# KiCad board POWERCORE-V2.0_MOTHERBOARD.kicad_pcb
title: PC-02 EDM PULSE GENERATOR; company: DRAGONFLY POWER SYSTEMS
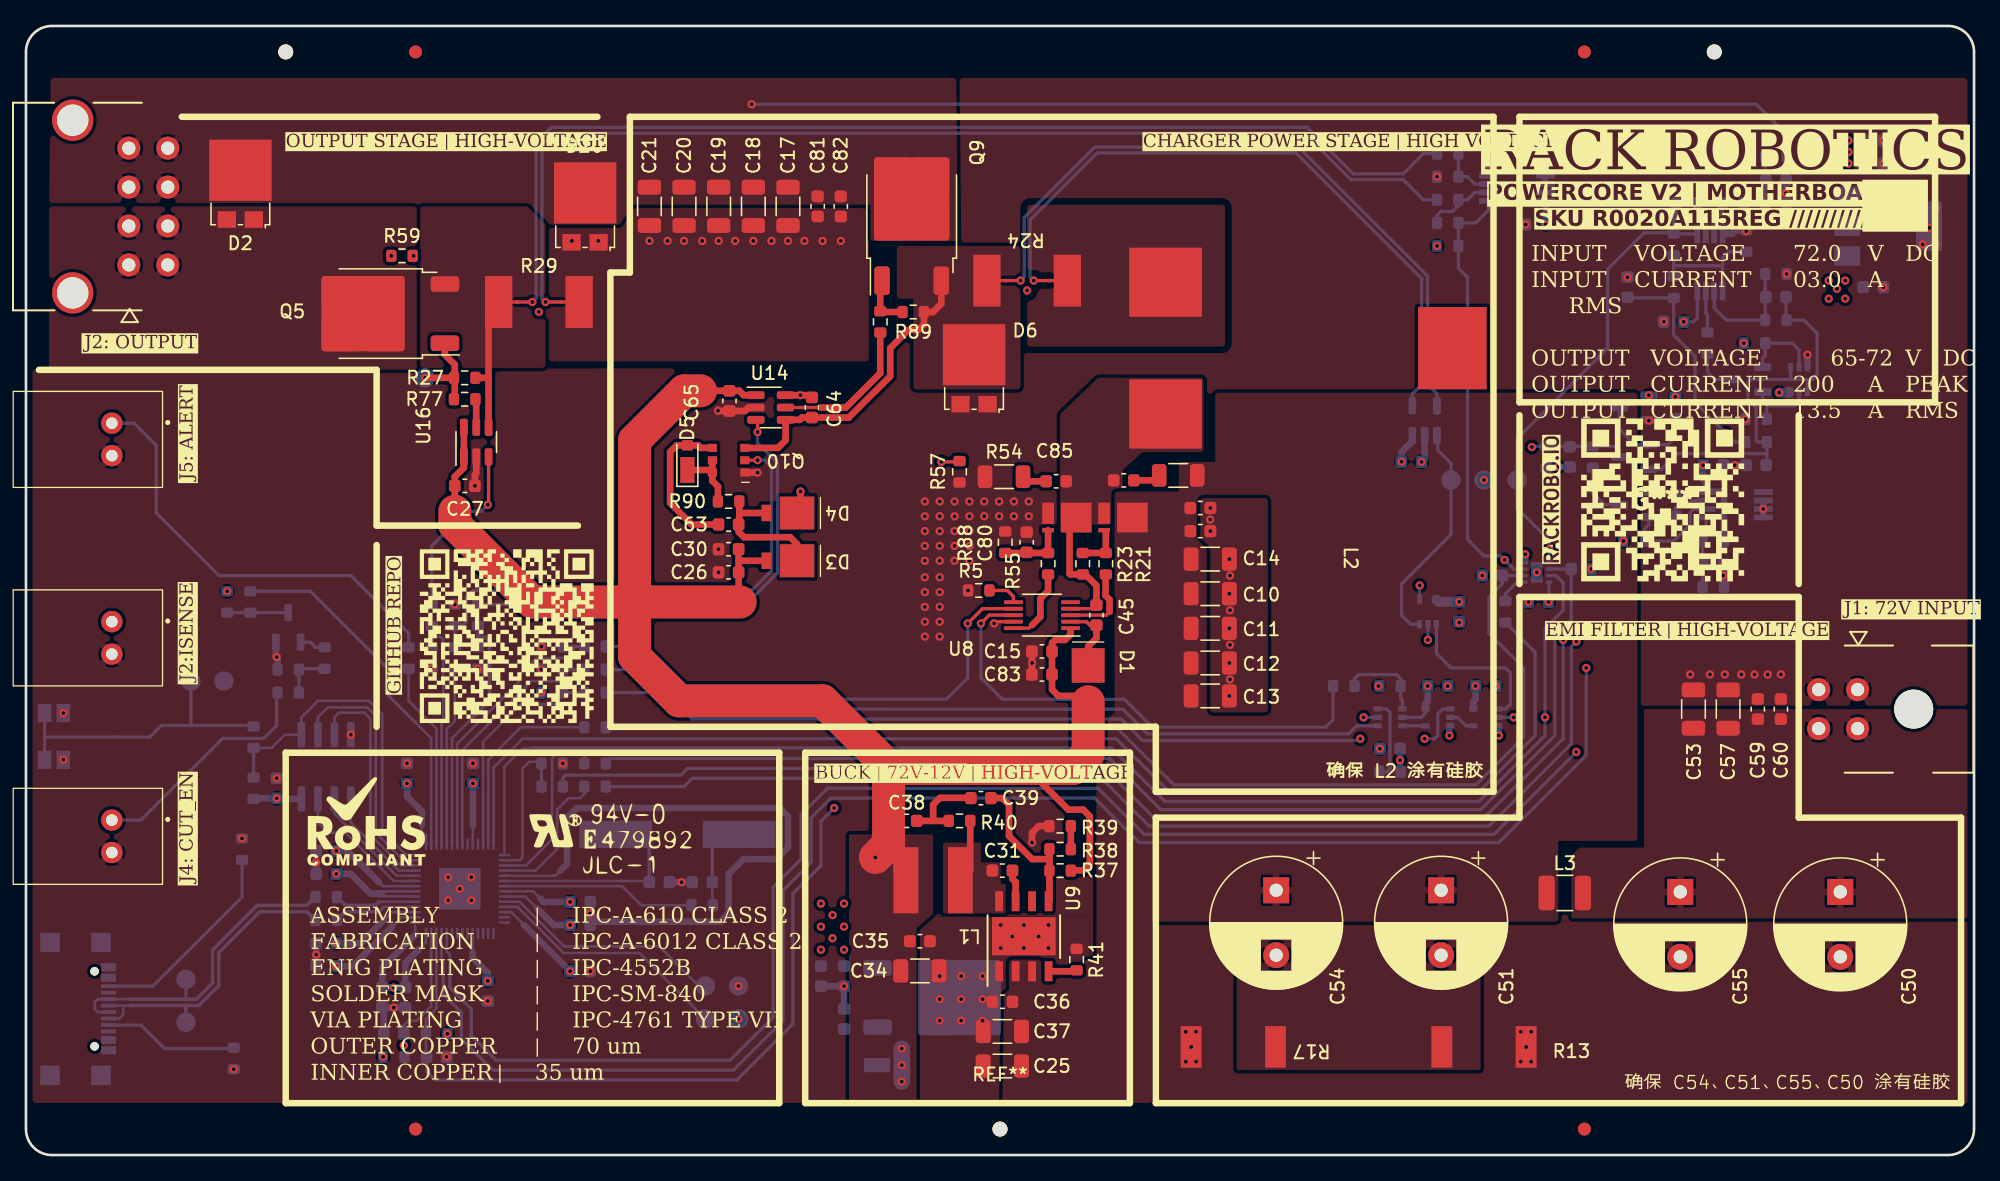
[diagram p0: board, top side]
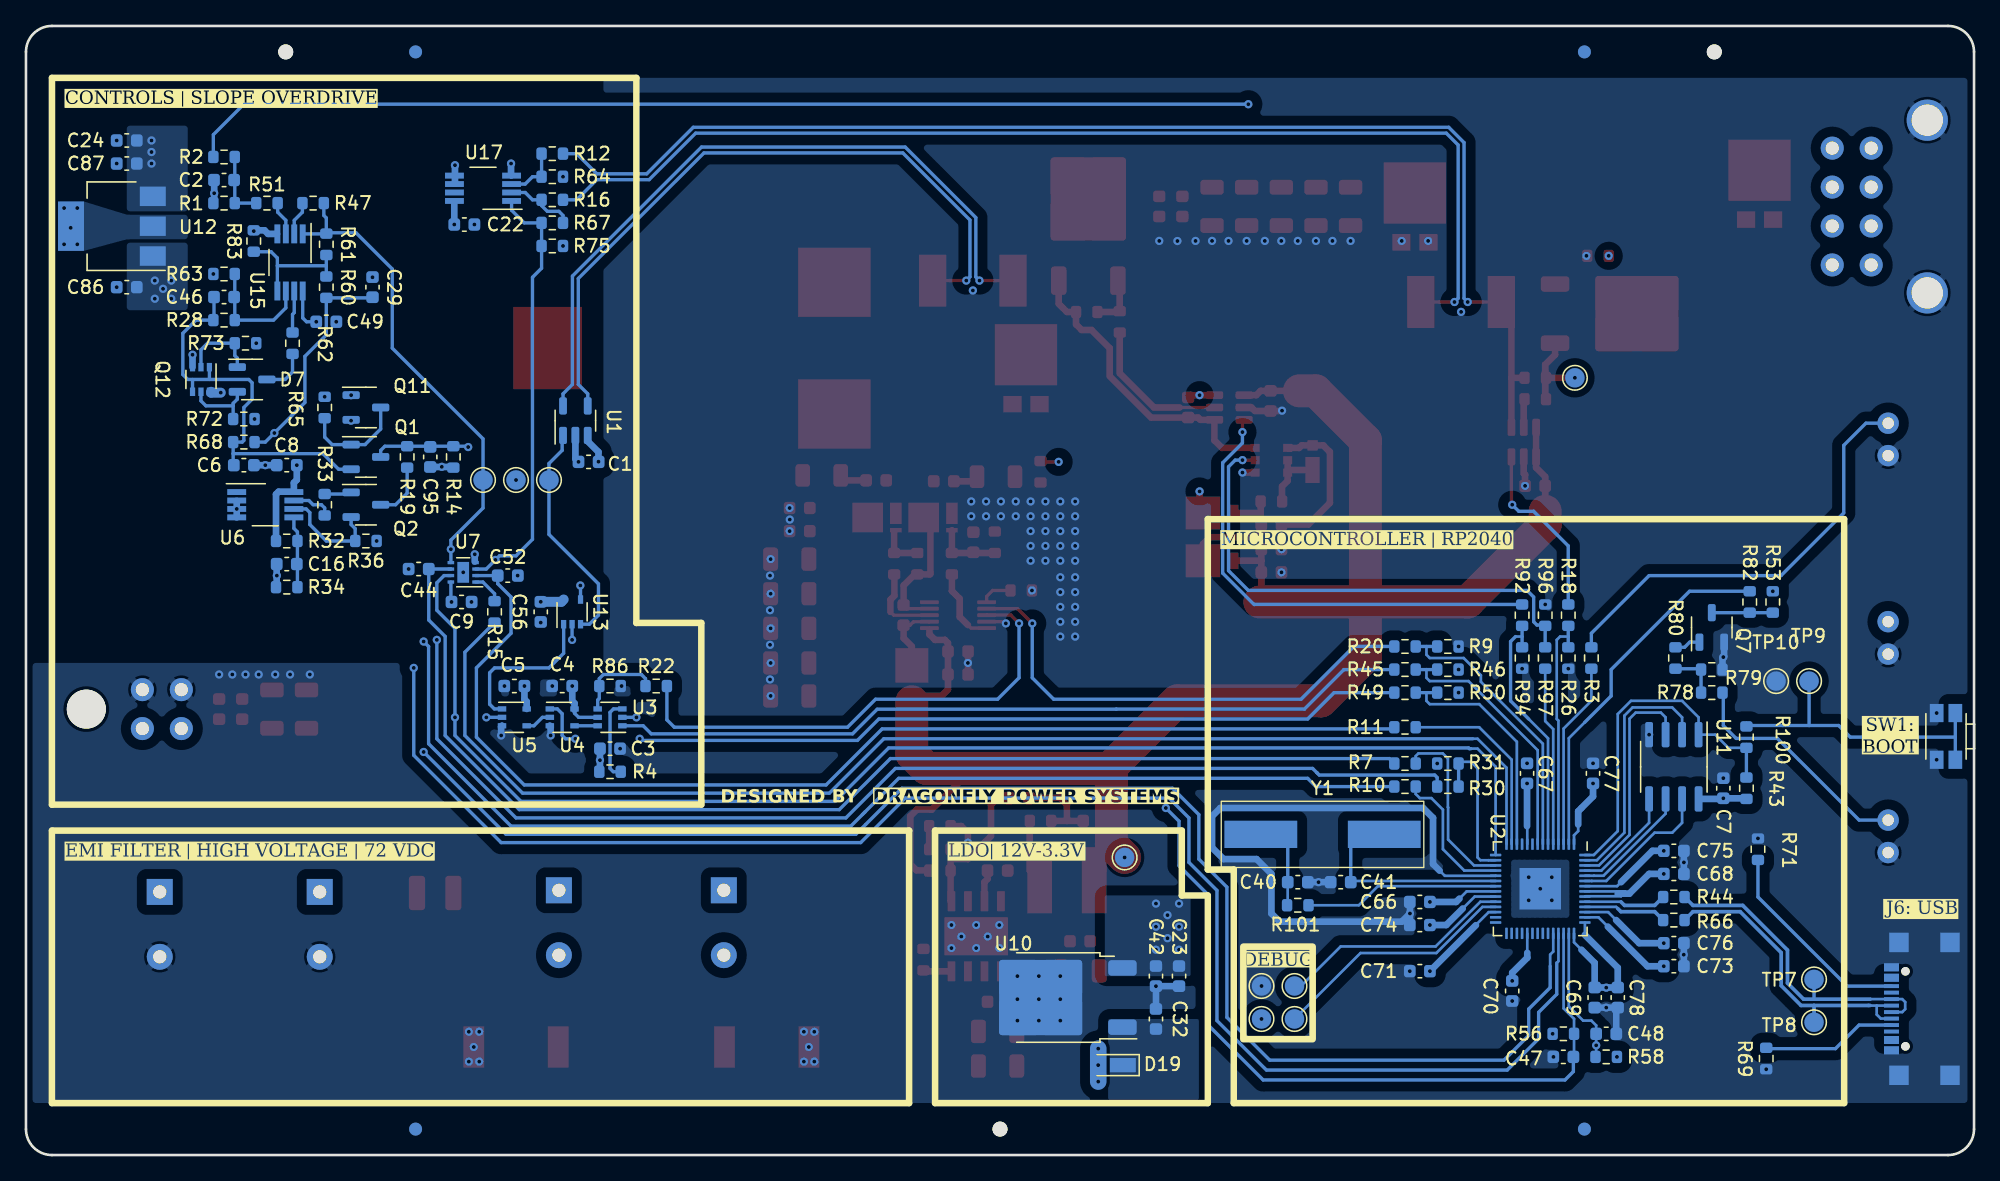
[diagram p1: board, bottom side, seen from below]

Outline 150 x 87 mm; copper layers: Top, In1.Cu (plane), In2.Cu, In3.Cu, In4.Cu (plane), Bottom. Coordinates in mm from the lower left corner of the outline.
Outline path: 0,85 0,2 arc(0.59,0.59) 2,0 148,0 arc(149.41,0.59) 150,2 150,85 arc(149.41,86.41) 148,87 2,87 arc(0.59,86.41) 0,85
Stack: Top 0.07mm / dielectric 0.18mm FR4 er 4.29 / In1.Cu 0.035mm / dielectric 0.4mm FR4 er 4.29 / In2.Cu 0.035mm / dielectric 0.18mm FR4 er 4.29 / In3.Cu 0.035mm / dielectric 0.4mm FR4 er 4.29 / In4.Cu 0.035mm / dielectric 0.18mm FR4 er 4.29 / Bottom 0.07mm

## Placement (name value [footprint] x y rotation side)
C1  0.1U  [C_0603_1608Metric]  106.68 53.41 0 bottom
C2  27p  [C_0603_1608Metric]  134.75 75.13 0 bottom
C3  0.1U  [C_0603_1608Metric]  105.03 31.31 180 bottom
C4  0.1U  [C_0603_1608Metric]  108.71 36.14 0 bottom
C5  0.1U  [C_0603_1608Metric]  112.4 36.14 0 bottom
C6  0.01U  [C_0603_1608Metric]  133.22 53.16 180 bottom
C7  0.1U  [C_0603_1608Metric]  19.3 28.26 90 bottom
C8  0.1U  [C_0603_1608Metric]  129.92 53.16 0 bottom
C9  0.1U  [C_0603_1608Metric]  116.46 42.62 180 bottom
C10  4.7U  [C_1206_3216Metric]  91.19 43.25 0 top
C11  4.7U  [C_1206_3216Metric]  91.19 40.58 0 top
C12  4.7U  [C_1206_3216Metric]  91.19 37.92 0 top
C13  4.7U  [C_1206_3216Metric]  91.19 35.38 0 top
C14  4.7U  [C_1206_3216Metric]  91.19 45.92 0 top
C15  0.1U  [C_0603_1608Metric]  78.23 38.81 180 top
C16  0.1U  [C_0603_1608Metric]  129.92 45.54 0 bottom
C17  4.7U  [C_1206_3216Metric]  58.67 73.1 270 top
C18  4.7U  [C_1206_3216Metric]  56.01 73.1 270 top
C19  4.7U  [C_1206_3216Metric]  53.34 73.1 270 top
C20  4.7U  [C_1206_3216Metric]  50.67 73.1 270 top
C21  4.7U  [C_1206_3216Metric]  48.01 73.1 270 top
C22  0.1U  [C_0603_1608Metric]  116.25 71.7 180 bottom
C23  1U  [C_0603_1608Metric]  61.21 13.79 270 bottom
C24  1U  [C_0603_1608Metric]  142.24 78.18 0 bottom
C25  4.7U  [C_1206_3216Metric]  75.18 6.86 180 top
C26  1U  [C_0603_1608Metric]  54.1 44.9 180 top
C27  1U  [C_0603_1608Metric]  33.8 51.56 0 top
C29  0.1U  [C_0603_1608Metric]  123.32 66.87 90 bottom
C30  1U  [C_0603_1608Metric]  54.1 46.68 180 top
C31  2200p  [C_0603_1608Metric]  75.18 21.91 180 top
C32  1U  [C_0603_1608Metric]  62.99 10.48 90 bottom
C34  4.7U  [C_1206_3216Metric]  68.83 14.19 0 top
C35  0.1U  [C_0603_1608Metric]  68.83 16.48 0 top
C36  0.01U  [C_0603_1608Metric]  75.18 11.81 180 top
C37  4.7U  [C_1206_3216Metric]  75.18 9.53 180 top
C38  0.01U  [C_0603_1608Metric]  67.82 25.75 180 top
C39  220p  [C_0603_1608Metric]  73.53 27.5 180 top
C40  27p  [C_0603_1608Metric]  52.07 21.03 180 bottom
C41  27p  [C_0603_1608Metric]  48.77 21.03 180 bottom
C42  0.1U  [C_0603_1608Metric]  62.99 13.79 270 bottom
C44  0.1U  [C_0603_1608Metric]  119.76 45.16 0 bottom
C45  0.01U  [C_0603_1608Metric]  82.42 41.6 90 top
C46  27p  [C_0603_1608Metric]  134.75 66.11 0 bottom
C47  0.1U  [C_0603_1608Metric]  31.62 7.56 0 bottom
C48  0.1U  [C_0603_1608Metric]  28.32 9.34 180 bottom
C49  0.1U  [C_0603_1608Metric]  126.87 64.21 180 bottom
C50  100U  [CP_Radial_D10.0mm_P5.00mm]  139.7 20.27 270 top
C51  100U  [CP_Radial_D10.0mm_P5.00mm]  108.97 20.4 270 top
C52  1U  [C_0603_1608Metric]  112.9 44.65 180 bottom
C53  4.7U  [C_1206_3216Metric]  128.4 34.36 90 top
C54  100U  [CP_Radial_D10.0mm_P5.00mm]  96.27 20.4 270 top
C55  100U  [CP_Radial_D10.0mm_P5.00mm]  127.38 20.27 270 top
C56  0.1U  [C_0603_1608Metric]  110.36 41.85 270 bottom
C57  4.7U  [C_1206_3216Metric]  131.06 34.36 90 top
C59  0.01U  [C_0603_1608Metric]  133.35 34.36 90 top
C60  0.01U  [C_0603_1608Metric]  135.13 34.36 90 top
C63  1U  [C_0603_1608Metric]  54.1 48.58 180 top
C64  1U  [C_0603_1608Metric]  60.52 57.6 270 top
C65  0.1U  [C_0603_1608Metric]  54.17 58.11 270 top
C66  0.1U  [C_0603_1608Metric]  42.67 19.5 0 bottom
C67  0.1U  [C_0603_1608Metric]  34.42 29.41 90 bottom
C68  0.1U  [C_0603_1608Metric]  23.11 21.66 180 bottom
C69  0.1U  [C_0603_1608Metric]  29.21 12.14 270 bottom
C70  0.1U  [C_0603_1608Metric]  35.56 12.64 270 bottom
C71  0.1U  [C_0603_1608Metric]  42.67 14.17 0 bottom
C72  0.01U  [C_0603_1608Metric]  90.42 48.08 0 top
C73  1U  [C_0603_1608Metric]  23.11 14.55 180 bottom
C74  0.1U  [C_0603_1608Metric]  42.67 17.72 0 bottom
C75  0.1U  [C_0603_1608Metric]  23.11 23.44 180 bottom
C76  1U  [C_0603_1608Metric]  23.11 16.33 180 bottom
C77  0.1U  [C_0603_1608Metric]  29.34 29.41 90 bottom
C78  0.1U  [C_0603_1608Metric]  27.43 12.14 270 bottom
C79  0.01U  [C_0603_1608Metric]  90.42 49.85 0 top
C80  2200p  [C_0603_1608Metric]  77.05 47.22 90 top
C81  0.01U  [C_0603_1608Metric]  60.96 73.1 270 top
C82  0.01U  [C_0603_1608Metric]  62.74 73.1 270 top
C83  1U  [C_0603_1608Metric]  78.23 37.03 180 top
C84  470p  [C_0603_1608Metric]  84.53 51.99 180 top
C85  470p  [C_0603_1608Metric]  79.33 51.92 180 top
C86  1U  [C_0603_1608Metric]  142.24 66.87 0 bottom
C87  0.1U  [C_0603_1608Metric]  142.24 76.4 0 bottom
C95  1000p  [C_0603_1608Metric]  118.87 53.79 270 bottom
D1  V2PM10L-M3/H  [DO-220AA (SMP)]  81.79 37.03 270 top
D2  SS10PH10-M3/87A  [TO-277A]  16.51 74.84 180 top
D3  V2PM10L-M3/H  [DO-220AA (SMP)]  58.67 45.79 180 top
D4  V2PM10L-M3/H  [DO-220AA (SMP)]  58.67 49.47 180 top
D5  MSS1P3L-M3/89A  [D_MicroSMP_AK]  50.93 53.66 90 top
D6  SS10PH10-M3/87A  [TO-277A]  73 60.62 180 top
D7  MMBD7000LT3G  [SOT-23-3]  132.59 59.76 180 bottom
D19  MSS1P3L-M3/89A  [D_MicroSMP_AK]  66.42 6.93 0 bottom
D20  SS10PH10-M3/87A  [TO-277A]  43.05 73.1 180 top
G***  -  [LOGO]  126 50.5 0 top
G***#2  -  [LOGO]  37 40 0 top
J1  -  [0430450400]  145.36 34.36 90 top
J2  -  [0430450822]  3.6 73.08 270 top
J3  -  [S2B-XH-A-1]  6.61 39.85 90 top
J4  -  [S2B-XH-A-1]  6.61 24.56 90 top
J5  -  [S2B-XH-A-1]  6.61 55.14 90 top
J6  -  [GSB1C41110SSHR]  5.28 11.27 90 bottom
L1  330U  [VLS6045EX]  69.85 21.18 180 top
L2  22U  [PQ2617BHA]  102.11 62.17 270 top
L3  330n  [L_1210_3225Metric]  118.49 20.19 180 top
NOREF  -  [unnamed]  20 85 0 top
NOREF#2  -  [unnamed]  130 85 0 top
NT1  NetTie_2  [NET_TIE_SMD_10mil]  37.45 65.73 180 top
NT2  NetTie_2  [NET_TIE_SMD_10mil]  41.55 65.73 0 top
NT5  NetTie_2  [NET_TIE_SMD_10mil]  79.14 67.38 180 top
NT6  NetTie_2  [NET_TIE_SMD_10mil]  75.04 67.38 180 top
Q1  DMG2301L-7  [SOT-23-3]  123.83 53.79 180 bottom
Q2  DMG2302UK-7  [SOT-23-3]  123.83 50.11 180 bottom
Q3  ISZ230N10NM6ATMA1  [INFINEON_TSDSON-8-25]  80.15 49.12 270 top
Q4  ISZ230N10NM6ATMA1  [INFINEON_TSDSON-8-25]  84.47 49.12 270 top
Q5  TK7R7P10PL,RQ  [TO-252-2]  27.22 64.83 180 top
Q7  DMG2302UK-7  [SOT-23-3]  20.19 40.65 90 bottom
Q9  TK7R7P10PL,RQ  [TO-252-2]  68.2 72.41 90 top
Q10  SSM6N815R,LF  [TSOP_6_2.5MM WIDTH]  54.1 53.54 180 top
Q11  DMG2302UK-7  [SOT-23-3]  123.83 57.6 180 bottom
Q12  MBT3946DW1T1G  [SOT-363_SC-70-6]  136.53 59.76 270 bottom
R1  10K0  [R_0603_1608Metric]  134.75 73.35 0 bottom
R2  470K  [R_0603_1608Metric]  134.75 76.91 180 bottom
R3  10K0  [R_0603_1608Metric]  29.46 38.3 270 bottom
R4  1K00  [R_0603_1608Metric]  105.03 29.53 0 bottom
R5  47K0  [R_0603_1608Metric]  73.36 43.5 180 top
R7  10K0  [R_0603_1608Metric]  40.51 30.17 0 bottom
R9  10K0  [R_0603_1608Metric]  40.51 39.19 0 bottom
R10  100R  [R_0603_1608Metric]  40.51 28.39 0 bottom
R11  1K00  [R_0603_1608Metric]  43.82 32.96 0 bottom
R12  10K0  [R_0603_1608Metric]  109.47 77.16 180 bottom
R13  0R68  [CSRN2512]  112.27 8.33 0 top
R14  100K  [R_0603_1608Metric]  117.09 53.79 270 bottom
R15  1K00  [R_0603_1608Metric]  113.92 41.85 90 bottom
R16  10K0  [R_0603_1608Metric]  109.47 73.6 180 bottom
R17  0R68  [CSRN2512]  92.96 8.33 180 top
R18  100R  [R_0603_1608Metric]  31.24 41.6 90 bottom
R19  10R  [R_0603_1608Metric]  120.65 53.79 270 bottom
R20  1K00  [R_0603_1608Metric]  43.82 39.19 180 bottom
R21  10R  [R_0603_1608Metric]  83.15 45.57 90 top
R22  100R  [R_0603_1608Metric]  101.47 36.14 180 bottom
R23  100K  [R_0603_1608Metric]  81.37 45.57 270 top
R24  0R006  [CRE_2512_High_ohm]  77.09 67.38 180 top
R25  10R  [R_0603_1608Metric]  65.78 64.2 270 top
R26  10K0  [R_0603_1608Metric]  31.24 38.3 90 bottom
R27  100K  [R_0603_1608Metric]  33.78 59.89 0 top
R28  47K0  [R_0603_1608Metric]  134.75 64.33 0 bottom
R29  0R006  [CRE_2512_High_ohm]  39.5 65.73 0 top
R30  1K00  [R_0603_1608Metric]  43.82 28.39 0 bottom
R31  1K00  [R_0603_1608Metric]  43.82 30.17 0 bottom
R32  20K0  [R_0603_1608Metric]  129.92 47.31 180 bottom
R33  100R  [R_0603_1608Metric]  127 50.11 90 bottom
R34  13K0  [R_0603_1608Metric]  129.92 43.76 0 bottom
R36  4K70  [R_0603_1608Metric]  123.83 47.31 180 bottom
R37  100K  [R_0603_1608Metric]  79.63 21.91 180 top
R38  10K0  [R_0603_1608Metric]  79.63 23.57 0 top
R39  1K00  [R_0603_1608Metric]  79.63 25.34 180 top
R40  100K  [R_0603_1608Metric]  71.88 25.75 180 top
R41  47K0  [R_0603_1608Metric]  80.9 15.06 90 top
R43  10K0  [R_0603_1608Metric]  17.53 28.26 90 bottom
R44  27R  [R_0603_1608Metric]  23.11 19.88 0 bottom
R45  100R  [R_0603_1608Metric]  43.82 37.41 0 bottom
R46  10K0  [R_0603_1608Metric]  40.51 37.41 180 bottom
R47  100R  [R_0603_1608Metric]  127.89 73.35 180 bottom
R49  1K00  [R_0603_1608Metric]  43.82 35.63 0 bottom
R50  10K0  [R_0603_1608Metric]  40.51 35.63 0 bottom
R51  100R  [R_0603_1608Metric]  131.45 73.35 180 bottom
R53  47K0  [R_0603_1608Metric]  15.49 42.62 270 bottom
R54  2R7  [R_1206_3216Metric]  75.31 52.27 180 top
R55  3R3  [R_0603_1608Metric]  78.7 45.57 90 top
R56  10K0  [R_0603_1608Metric]  31.62 9.34 180 bottom
R57  10K  [R_0603_1608Metric]  71.88 52.65 270 top
R58  10K0  [R_0603_1608Metric]  28.32 7.56 0 bottom
R59  10K  [R_0603_1608Metric]  28.96 69.29 0 top
R60  100K  [R_0603_1608Metric]  126.87 66.87 270 bottom
R61  100K  [R_0603_1608Metric]  126.87 70.17 270 bottom
R62  10R  [R_0603_1608Metric]  129.48 62.55 270 bottom
R63  47K0  [R_0603_1608Metric]  134.75 67.89 0 bottom
R64  20K0  [R_0603_1608Metric]  109.47 75.38 180 bottom
R65  100R  [R_0603_1608Metric]  127 57.6 270 bottom
R66  27R  [R_0603_1608Metric]  23.11 18.1 0 bottom
R67  20K0  [R_0603_1608Metric]  109.47 71.83 0 bottom
R68  0R  [R_0603_1608Metric]  133.22 54.93 0 bottom
R69  5K10  [R_0603_1608Metric]  16 7.44 270 bottom
R70  2R7  [R_1206_3216Metric]  88.73 52.37 180 top
R71  5K10  [R_0603_1608Metric]  16.64 23.57 90 bottom
R72  1K00  [R_0603_1608Metric]  133.22 56.71 180 bottom
R73  1K00  [R_0603_1608Metric]  133.1 62.55 0 bottom
R75  10K0  [R_0603_1608Metric]  109.47 70.05 180 bottom
R77  10R  [R_0603_1608Metric]  33.78 58.24 180 top
R78  47K0  [R_0603_1608Metric]  20.19 35.63 0 bottom
R79  10K0  [R_0603_1608Metric]  20.19 37.41 180 bottom
R80  10K0  [R_0603_1608Metric]  22.99 38.3 270 bottom
R82  10K0  [R_0603_1608Metric]  17.27 42.62 270 bottom
R83  10K0  [R_0603_1608Metric]  132.46 70.43 90 bottom
R86  10K0  [R_0603_1608Metric]  105.03 36.14 0 bottom
R88  100K  [R_0603_1608Metric]  75.4 47.22 90 top
R89  100K  [R_0603_1608Metric]  68.32 64.96 0 top
R90  10K0  [R_0603_1608Metric]  54.1 50.36 180 top
R92  100R  [R_0603_1608Metric]  34.8 41.6 90 bottom
R94  10K0  [R_0603_1608Metric]  34.8 38.3 90 bottom
R96  100R  [R_0603_1608Metric]  33.02 38.3 90 bottom
R97  10K0  [R_0603_1608Metric]  33.02 41.6 270 bottom
R100  1K00  [R_0603_1608Metric]  17.53 32.2 90 bottom
R101  1K00  [R_0603_1608Metric]  52.07 19.25 180 bottom
REF**  -  [Fiducial_1mm_Mask2mm]  30 85 0 top
REF**#2  -  [powercore_version_2.0_micro]  59 4 0 top
REF**#3  -  [JLC_PCB_Tooling_Hole]  75 2 0 top
REF**#4  -  [dragonfly_power_systems]  61 27 0 top
REF**#5  -  [Fiducial_1mm_Mask2mm]  30 2 0 top
REF**#6  -  [powercore_version_2.0_graphic_1]  115 80 0 top
REF**#7  -  [powercore_version_2.0_3.3v_LDO]  59 4 0 top
REF**#8  -  [Fiducial_1mm_Mask2mm]  120 85 0 top
REF**#9  -  [Fiducial_1mm_Mask2mm]  120 2 0 top
REF**#10  -  [powercore_version_2.0_requirements]  20 4 0 top
REF**#11  -  [powercore_version_2.0_emi_filter]  149 26 0 top
REF**#12  -  [powercore_version_2.0_12v_LDO]  85 4 0 top
REF**#13  -  [powercore_version_2.0_controls]  148 27 0 top
REF**#14  -  [powercore_version_2.0_back_emi_filter]  82 4 0 top
REF**#15  -  [powercore_version_2.0_charger_power_stage]  113 77 0 top
REF**#16  -  [powercore_version_2.0_output_stage]  44 80 0 top
REF**#17  -  [Fiducial_1mm_Mask2mm]  120 2 180 bottom
REF**#18  -  [Fiducial_1mm_Mask2mm]  30 85 180 bottom
REF**#19  -  [Fiducial_1mm_Mask2mm]  120 85 180 bottom
REF**#20  -  [Fiducial_1mm_Mask2mm]  30 2 180 bottom
SW1  EVQ-P7A01P  [SW_SPST_EVQP7A]  2.16 32.26 90 bottom
TP1  TestPoint  [TestPoint_Pad_D1.5mm]  52.32 13.02 270 bottom
TP2  TestPoint  [TestPoint_Pad_D1.5mm]  52.32 10.48 270 bottom
TP3  TestPoint  [TestPoint_Pad_D1.5mm]  54.86 13.02 270 bottom
TP4  TestPoint  [TestPoint_Pad_D1.5mm]  54.86 10.48 270 bottom
TP5  TestPoint  [TestPoint_Pad_D1.5mm]  30.73 59.89 180 bottom
TP6  TestPoint  [TestPoint_Pad_D1.5mm]  109.73 52.01 180 bottom
TP7  TestPoint  [TestPoint_Pad_D1.5mm]  12.32 13.53 180 bottom
TP8  TestPoint  [TestPoint_Pad_D1.5mm]  12.32 10.23 180 bottom
TP9  TestPoint  [TestPoint_Pad_D1.5mm]  12.7 36.52 180 bottom
TP10  TestPoint  [TestPoint_Pad_D1.5mm]  15.24 36.52 180 bottom
TP13  TestPoint  [TestPoint_Pad_D1.5mm]  65.41 22.93 270 bottom
TP15  TestPoint  [TestPoint_Pad_D1.5mm]  112.27 52.01 270 bottom
TP16  TestPoint  [TestPoint_Pad_D1.5mm]  114.81 52.01 180 bottom
U1  INA281B2IDBVR  [SOT-23-5]  107.7 56.59 90 bottom
U2  RP2040  [QFN-56-1EP_7x7mm_P0.4mm_EP3.2x3.2mm]  33.4 20.52 270 bottom
U3  SN74LVC1G175DCKR  [SOT-363_SC-70-6]  105.03 33.73 0 bottom
U4  74LVC1G02SE-7  [SOT-353_SC-70-5]  108.71 33.73 180 bottom
U5  SN74LVC1G32DCKR  [SOT-353_SC-70-5]  112.4 33.73 180 bottom
U6  LMV358AIDGKR  [VSSOP-8_3.0x3.0mm_P0.65mm]  131.57 50.11 180 bottom
U7  TLV7012DSGR  [WSON-8-1EP_2x2mm_P0.5mm_EP0.9x1.6mm]  116.33 44.9 0 bottom
U8  LM5106MMX/NOPB  [VSSOP-10_3x3mm_P0.5mm]  78.23 41.6 180 top
U9  LM5169FDDAR  [LM5169_POWERPAD_SOIC8]  76.84 16.86 90 top
U10  UA78M33CKVURG3  [TO-252-2]  70.61 12.14 0 bottom
U11  W25Q16JVSNIQ  [SOIC-8_3.9x4.9mm_P1.27mm]  23.11 29.92 270 bottom
U12  UA78M05CDCYR  [SOT-223-3_TabPin2]  143.38 71.57 0 bottom
U13  TLV3201AIDCKR  [SOT-353_SC-70-5]  107.95 41.85 90 bottom
U14  IRS10752LTRPBF  [SOT-23-6]  57.34 57.6 0 top
U15  LMV358AIDGKR  [VSSOP-8_3.0x3.0mm_P0.65mm]  129.67 68.78 270 bottom
U16  IRS10752LTRPBF  [SOT-23-6]  34.67 54.93 90 top
U17  LMV358AIDGKR  [VSSOP-8_3.0x3.0mm_P0.65mm]  114.81 74.49 0 bottom
Y1  ABLS-12.000MHZ-B2-T  [Crystal_SMD_HC49-SD]  50.17 24.71 180 bottom

## Library data of the parts
C1 C3-C5 C7-C9 C15 C16 C22 C29 C35 C42 C44 C47-C49 C56 C65-C71 C74 C75 C77 C78 C87 = -: Description: CAP, 0.1U, 50V, X7R, SMT, 0603; Manufacturer: Samsung; Part Number: CL10B104KB8NNWC; Volage Rating: 50V
C2 C40 C41 C46 = -: Description: CAP, 27P, 50V, C0G, SMT, 0603; Manufacturer: Yageo; Part Number: CC0603JRNPO9BN270; Volage Rating: 50V
C6 C36 C38 C45 C59 C60 C72 C79 C81 C82 = -: Description: CAP, 0.01U, 100V, X7R, SMT, 0603; Manufacturer: Samsung; Part Number: CL10B103KC8NNNC; Volage Rating: 100V
C10-C14 C17-C21 C25 C34 C37 C53 C57 = -: Description: CAP, 4.7U, 100V, SMT, X7S; Dielectric: X7S; Manufacturer: Murata; Part Number: GRM31CC72A475KE11L; Voltage Rating: 100V
C23 C24 C26 C27 C30 C32 C52 C63 C64 C73 C76 C83 C86 = -: Description: CAP, 1U, 25V, X7R, SMT, 0603; Manufacturer: Samsung; Part Number: CL10B105KA8NNNC; Volage Rating: 25V
C31 C80 = -: Description: CAP, 2200P, 50V, X7R, SMT, 0603; Manufacturer: Samsung; Part Number: CL10B222KB8NNNC; Volage Rating: 50V
C39 = -: Description: CAP, 220P, 50V, X7R, SMT, 0603; Manufacturer: Samsung; Part Number: CL10B221JB8NNNC; Volage Rating: 50V
C50 C51 C54 C55 = -: Description: CAP, ELECTROLYTIC, 100UF, 100V, THT, RADIAL, 10 D X 22MM H; Manufacturer: RUBYCON; Part Number: 100ZLJ100M10X20; Voltage Rating: 100V
C84 C85 = -: Description: CAP, 470P, 100V, C0G, SMT, 0603; Manufacturer: KEMET; Part Number: C0603C471J1GAC7867; Volage Rating: 100V
C95 = -: Description: CAP, 1000P, 50V, X7R, SMT, 0603; Manufacturer: Samsung; Part Number: CL10B102KB8NNNC; Volage Rating: 50V
D1 D3 D4 = -: Description: DIODE, SCHOTTKY, 100V, 1.9A, DO-220AA; Current: 1.9A; Manufacturer: VISHAY; Voltage: 100V
D2 D6 D20 = -: Description: DIODE, SCHOTTKY, 100V, 10A, TO277A; If: 10A; Manufacturer: Vishay; Vr: 100V
D5 D19 = -: Description: DIODE, SCHOTTKY, 30V, 1A, DO-219AD; Current: 1A; Manufacturer: VISHAY; Voltage: 30V
D7 = -: Description: 100V 200mA Series Diode Array; Manufacturer: OnSemi
J1 J2 = -: Manufacturer: Molex
J3-J5 = -: Manufacturer: JST
J6 = -: Manufacturer: Amphenol ICC
L1 = -: Description: IND, 330UH, 0.47A, SMD, 6 W X 6 L X 4.5MM H; DC Current Rating: 0.47A; DCR: 1.44R; Manufacturer: TDK; Part Number: VLS6045EX-331M; Saturation Current: 0.5A
L2 = -: Description: IND, 22UH, 28A, SMD, 27.9 X 27.9 X 19MM H; DC Current Rating: 28A; DCR: 2.5mR; Manufacturer: Bourns; Part Number: PQ2617BHA-220K; Saturation Current: 14A
L3 = -: Description: IND, 330NH, 8.5A, SMD, 1210; DC Current Rating: 8.5A; DCR: 13m; Manufacturer: Bourns; Part Number: SRP3212A-R33M; Saturation Current: 9.1A
NT1 NT2 NT5 NT6 = -: Description: Net tie, 2 pins
Q1 Q2 Q7 Q11 U4 = -: Manufacturer: Diodes Inc
Q3 Q4 = -: Manufacturer: INFINEON
Q5 Q9 = -: Manufacturer: Toshiba
Q10 = -: Description: TRANSISTOR, MOSFET, DUAL N-CH, 100V; Manufacturer: TOSHIBA
Q12 = -: Description: 200mA IC, 40V Vce, Dual NPN/PNP Transistors, SOT-363; Manufacturer: OnSemi
R1 R3 R7 R9 R12 R16 R26 R38 R43 R46 R50 R56 R58 R75 R79 R80 R82 R83 R86 R90 R94 R97 = -: Description: RES, 10K0, 1%, 0.1W, 0603, SMD; Manufacturer: Stackpole; Package Size: 0603; Part Number: RMCF0603FT10K0; Tolerance: 1%
R2 = -: Description: RES, 470K, 1%, 0.1W, 0603, SMD; Manufacturer: Stackpole; Package Size: 0603; Part Number: RMCF0603FT470K; Tolerance: 1%
R4 R11 R15 R20 R30 R31 R39 R49 R72 R73 R100 R101 = -: Description: RES, 1K00, 1%, 0.1W, 0603, SMD; Manufacturer: Stackpole; Package Size: 0603; Part Number: RMCF0603FT1K00; Tolerance: 1%
R5 R28 R41 R53 R63 R78 = -: Description: RES, 47K0, 1%, 0.1W, 0603, SMD; Manufacturer: Stackpole; Package Size: 0603; Part Number: RMCF0603FT47K0; Tolerance: 1%
R10 R18 R22 R33 R45 R47 R51 R65 R92 R96 = -: Description: RES, 100R, 1%, 0.1W, 0603, SMD; Manufacturer: Stackpole; Package Size: 0603; Part Number: RMCF0603FT100R; Tolerance: 1%
R13 R17 = -: Description: RES, 0R68, 1%, 2W, 2512, SMD; Manufacturer: Stackpole; Package Size: 2512; Part Number: CSRN2512FKR680; Power Rating: 2W; Tolerance: 1%
R14 R23 R27 R37 R40 R60 R61 R88 R89 = -: Description: RES, 100K, 1%, 0.1W, 0603, SMD; Manufacturer: Stackpole; Package Size: 0603; Part Number: RMCF0603FT100K; Tolerance: 1%
R19 R21 R25 R62 R77 = -: Description: RES, 10R, 1%, 0.1W, 0603, SMD; Manufacturer: Stackpole; Package Size: 0603; Part Number: RMCF0603FT10R0; Tolerance: 1%
R24 R29 = -: Description: RES, 0R006, 1%, 3W, 2512, SMD; Manufacturer: Bourns; Package Size: 2512; Part Number: CRE2512-FZ-R006E-3; Power Rating: 3W; Tolerance: 1%
R32 R64 R67 = -: Description: RES, 20K0, 1%, 0.1W, 0603, SMD; Manufacturer: Stackpole; Package Size: 0603; Part Number: RMCF0603FT20K0; Tolerance: 1%
R34 = -: Description: RES, 13K0, 1%, 0.1W, 0603, SMD; Manufacturer: Stackpole; Package Size: 0603; Part Number: RMCF0603FT13K0; Tolerance: 1%
R36 = -: Description: RES, 4K70, 1%, 0.1W, 0603, SMD; Manufacturer: Stackpole; Package Size: 0603; Part Number: RMCF0603FT4K70; Tolerance: 1%
R44 R66 = -: Description: RES, 27R, 1%, 0.1W, 0603, SMD; Manufacturer: Stackpole; Package Size: 0603; Part Number: RMCF0603FT27R0; Tolerance: 1%
R54 R70 = -: Description: RES, 2R7, 1%, 0.75W, 1206, SMD; Manufacturer: Vishay Dale; Package Size: 1206; Part Number: CRCW12062R70JNEAHP; Tolerance: 1%
R55 = -: Description: RES, 3R3, 1%, 0.1W, 0603, SMD; Manufacturer: Stackpole; Package Size: 0603; Part Number: RMCF0603FT3R30; Tolerance: 1%
R57 R59 = -: Beta: 3455K (25/100); Manufacturer: Murata; Part Number: NCU18XH103F60RB; Tolerance: 1%
R68 = -: Description: RES, 0R, 1%, 0.1W, 0603, SMD; Manufacturer: Stackpole; Package Size: 0603; Part Number: RMCF0603ZT0R00; Tolerance: 1%
R69 R71 = -: Description: RES, 5K10, 1%, 0.1W, 0603, SMD; Manufacturer: Stackpole; Package Size: 0603; Part Number: RMCF0603FT5K10; Tolerance: 1%
SW1 = -: Description: SWITCH, MOMENTARY, DPST, SMT, GULLWING; Manufacturer: Panasonic
TP1-TP10 TP13 TP15 TP16 = -: Description: test point
U1 U3 U5 U6 U13 U15 U17 = -: Manufacturer: Texas Instruments
U2 = -: Description: A microcontroller by Raspberry Pi
U7 = -: Description: IC, COMP, 15MV VOS, 260NS DELAY; Manufacturer: Texas Instruments
U8 = -: Description: IC, DRIVER, HALF BRIDGE, 100V, 1.2A; Manufacturer: Texas Instruments
U9 = -: Description: IC, REGULATOR, BUCK, INTEGRATED SWITCH, 120VIN, 0.65A, HSOIC-8; Manufacturer: Texas Instruments